# KiCad board Keyboard.kicad_pcb (continued)
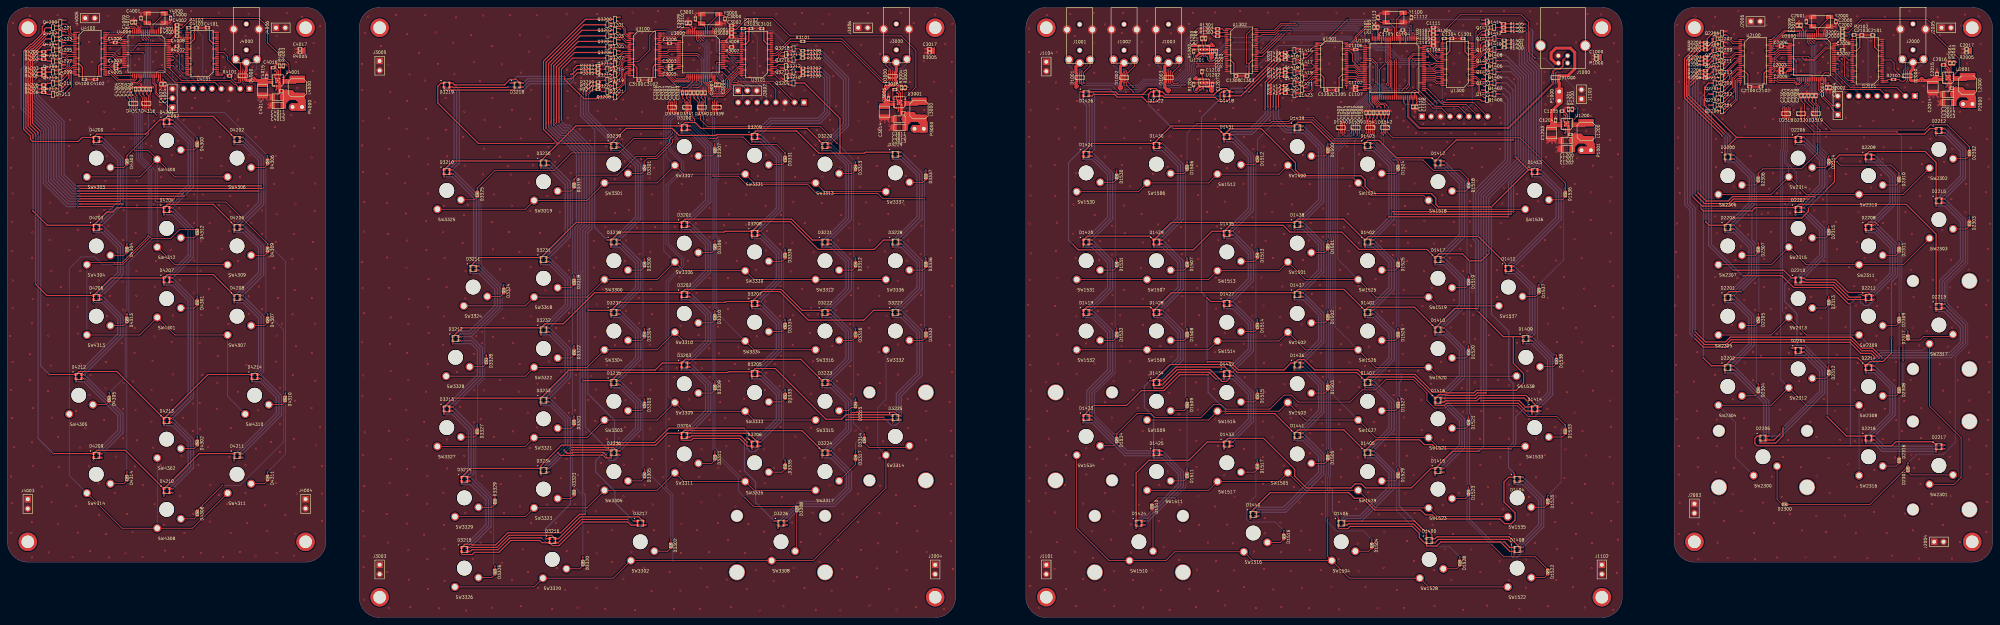
[diagram p0: board, top side]
## Routing (per net, layer and track width the routed paths; a pad name or vN(x,y) marks a point on that pad's centre or on a via; arc(x,y) is an arc through that point) (continued)
  Bottom w0.2: v2(486.14,143.84) 484.3,142 484.3,140.75 v2(481.3,137.75) ; SW2315.1 480.3,100.83 480.3,111.25 483.1,114.05 483.1,120.35 480.3,123.15 480.3,125.75 480.57,126.03 480.57,133.28 481.45,134.15 v2(481.45,134.8)
/Keyboard-Numblock/KeyMatrix-Numblock/KR1: length 209.8
  Top w0.2: 488.29,140.59 v2(488.29,139.79) 488.29,139.11 489.25,138.15 D2319.6 D2319.5 489.25,135.1 492.5,131.85 517.8,131.85 519.2,133.25 523.8,133.25 v2(529.75,127.3) D2302.1 ; U2000.8 487.44,156.39 v2(487.94,155.89) ; D2300.1 502.92,30.62 D2301.1 513.12,41.78 v2(513.15,41.8) ; v2(529.75,108.3) D2303.1
  Bottom w0.2: v2(487.94,155.89) 488.29,155.54 v2(488.29,139.79) ; v2(529.75,127.3) v2(529.75,108.3) 529.3,107.85 529.3,95.85 523.7,90.25 523.7,85.05 529.3,79.45 529.3,73.85 525.9,70.45 525.9,47.35 522.7,44.15 515.5,44.15 v2(513.15,41.8)
/Keyboard-Numblock/KeyMatrix-Numblock/KR2: length 114.1
  Top w0.2: 487.29,140.59 v2(487.29,139.79) 487.29,139.51 488.8,138 488.8,137.5 488.75,137.45 D2319.7 D2319.4 488.75,135.07 488.83,135 488.83,134.43 v2(488.75,134.35) ; U2000.9 486.94,156.09 v2(487.74,155.29) ; D2306.1 v2(472.75,120.15) 473.95,121.35 484.4,121.35 488.75,125.7 v2(488.75,127.8) ; v2(472.75,82.15) D2305.1 ; D2304.1 v2(472.75,63.15) ; v2(472.75,101.3) D2307.1
  Bottom w0.2: v2(487.29,139.79) 487.89,140.39 487.89,155.14 v2(487.74,155.29) ; v2(472.75,63.15) 472.2,63.7 472.2,81.6 v2(472.75,82.15) 472.9,82.3 472.9,101.15 v2(472.75,101.3) 472.3,101.75 472.3,119.7 v2(472.75,120.15) ; v2(488.75,127.8) v2(488.75,134.35)
/Keyboard-Numblock/KeyMatrix-Numblock/KR3: length 119.8
  Top w0.2: U2000.10 486.44,155.84 v2(487.09,155.19) ; 486.29,140.59 v2(486.29,139.79) 487.7,138.38 487.7,137.5 487.75,137.45 D2319.9 D2319.2 487.75,135.12 487.62,135 487.62,134.47 v2(487.75,134.35) ; D2308.1 v2(510.75,72.85) ; D2310.1 v2(510.75,120.15) 508.55,122.35 494.9,122.35 v2(494,123.25) ; D2309.1 v2(510.75,82.15) ; v2(510.75,101.4) D2311.1
  Bottom w0.2: v2(486.29,139.79) 487.49,140.99 487.49,154.79 v2(487.09,155.19) ; v2(510.75,120.15) 510.3,119.7 510.3,101.85 v2(510.75,101.4) 511,101.15 511,92.25 510.75,92 v2(510.75,82.15) v2(510.75,72.85) ; v2(487.75,134.35) 487.75,128 492.5,123.25 v2(494,123.25)
/Keyboard-Numblock/KeyMatrix-Numblock/KR4: length 98.8
  Top w0.2: 485.29,140.59 v2(485.29,139.79) 487.25,137.83 D2319.10 D2319.1 487.25,135.2 487.1,135.05 487.1,134.15 v2(489.4,131.85) ; U2000.11 485.94,155.59 v2(486.34,155.19) ; v2(491.75,105.9) D2315.1 ; D2312.1 v2(491.75,68.1) ; v2(491.75,86.9) D2313.1 ; v2(491.75,124.9) D2314.1 492.7,123 492.7,122.1 v2(491.75,121.15)
  Bottom w0.2: v2(485.29,139.79) 487.09,141.59 487.09,154.44 v2(486.34,155.19) ; v2(491.75,121.15) 491.3,120.7 491.3,106.35 v2(491.75,105.9) 491.3,105.45 491.3,87.35 v2(491.75,86.9) v2(491.75,68.1) ; v2(489.4,131.85) 489.4,127.25 v2(491.75,124.9)
/Keyboard-Numblock/KeyMatrix-Numblock/KR5: length 142.3
  Top w0.2: 484.29,140.59 v2(484.29,139.79) 485.25,138.83 D2320.6 D2320.5 485.25,133.93 487.83,131.35 v2(510.2,131.35) ; U2000.24 486.24,151.79 v2(486.59,151.44) ; D2316.1 v2(510.75,46.95) ; v2(511.8,69.55) 511.8,75.12 D2317.1 513.12,77.38 v2(513.1,77.4)
  Bottom w0.2: v2(484.29,139.79) 486.69,142.19 486.69,151.34 v2(486.59,151.44) ; v2(511.8,69.55) 511.8,60.35 510.75,59.3 v2(510.75,46.95) ; v2(513.1,77.4) 511.3,79.2 511.3,91.85 511.5,92.05 511.5,101.55 510.8,102.25 510.8,119.25 511.4,119.85 511.4,130.15 v2(510.2,131.35)
/Keyboard-Numblock/LedMatrix-Numblock/LC1: length 8.9
  Top w0.2: U2100.16 467.09,148.79 465,146.7 465,145.7 464.1,144.8 463.1,144.8 462.34,144.04 Q2200.1
/Keyboard-Numblock/LedMatrix-Numblock/LC1_X2: length 82.3
  Top w0.3: 466.85,129.85 458.2,138.5 458.2,143.4 459.34,144.54 Q2200.3 ; 466.85,129.85 468.5,129.85 ; 466.85,129.85 466.9,129.85 ; 468.5,129.85 D2206.1 483.65,130.75 517.6,130.75 519.08,132.22 D2212.1 ; 468.5,129.85 466.9,129.85 ; 466.9,129.85 463.75,126.7 D2200.1
/Keyboard-Numblock/LedMatrix-Numblock/LC2: length 7.9
  Top w0.2: U2100.17 467.19,148.29 465.4,146.5 465.4,144.35 Q2201.1
/Keyboard-Numblock/LedMatrix-Numblock/LC2_X2: length 151.8
  Top w0.3: v1(457.2,110.65) 457.9,109.95 v1(471,109.95) 471.9,110.85 D2207.1 483.65,111.75 512.7,111.75 520.75,103.7 D2213.1 ; D2201.1 464.8,88.15 v1(468.1,88.15) ; v1(461.45,143.05) 461.46,143.04 Q2201.3
  Bottom w0.3: v1(471,109.95) 471,102.15 472.3,100.85 472.3,92.35 v1(468.1,88.15) ; v1(461.45,143.05) 459.7,143.05 457.2,140.55 v1(457.2,110.65)
/Keyboard-Numblock/LedMatrix-Numblock/LC3: length 10.4
  Top w0.2: Q2202.1 462.74,141.04 463.4,141.7 464.1,141.7 465.8,143.4 465.8,145.9 467.19,147.29 U2100.19
/Keyboard-Numblock/LedMatrix-Numblock/LC3_X2: length 169.3
  Top w0.3: v1(508.7,75.55) 508.7,71.55 506.4,69.25 502.9,69.25 D2214.1 499.6,70.25 465.9,70.25 D2202.1 460.05,68.1 v1(457.9,70.25) ; D2208.1 502.6,106.95 504.3,106.95 v1(505.1,106.15) ; Q2202.3 459.36,141.54 v1(459.35,141.55)
  Bottom w0.3: v1(505.1,106.15) 510.4,100.85 510.4,92.45 508.7,90.75 v1(508.7,75.55) ; v1(459.35,141.55) 457.9,140.1 v1(457.9,70.25)
/Keyboard-Numblock/LedMatrix-Numblock/LC4: length 9.4
  Top w0.2: Q2203.1 466.2,142.15 466.2,145.7 467.29,146.79 U2100.20
/Keyboard-Numblock/LedMatrix-Numblock/LC4_X2: length 122.1
  Top w0.3: D2215.1 520.75,123.1 517.8,126.05 502.7,126.05 D2209.1 494.65,125.1 493.3,123.75 493.3,117.85 v1(490.6,115.15) ; v1(461.45,140.05) 461.46,140.04 Q2203.3 ; v1(486.3,110.85) 486.3,109.85 484.5,108.05 465.7,108.05 D2203.1 459.45,106.1 458.6,106.95 v1(458.6,107.05)
  Bottom w0.3: v1(458.6,107.05) 458.6,138.95 459.7,140.05 v1(461.45,140.05) ; v1(486.3,110.85) v1(490.6,115.15)
/Keyboard-Numblock/LedMatrix-Numblock/LC5: length 12.4
  Top w0.2: Q2204.1 462.64,138.04 463.3,138.7 465.1,138.7 466.6,140.2 466.6,145.2 467.19,145.79 U2100.22
/Keyboard-Numblock/LedMatrix-Numblock/LC5_X2: length 125.6
  Top w0.3: Q2204.3 459.36,138.54 v1(459.35,138.55) ; v1(491.4,54.25) 496.55,49.1 D2216.1 ; v1(481.7,72.85) D2204.1 ; D2210.1 v1(481.7,91.85) 479.6,93.95 v1(466,93.95)
  Bottom w0.3: v1(481.7,72.85) 482.4,73.55 483.2,73.55 ; v1(491.4,54.25) 491.4,67.55 485.4,73.55 483.2,73.55 ; v1(459.35,138.55) 459.35,100.6 v1(466,93.95) ; 483.2,73.55 483.2,82.15 479.9,85.45 479.9,90.05 v1(481.7,91.85)
/Keyboard-Numblock/LedMatrix-Numblock/LC6: length 10.9
  Top w0.2: Q2205.1 467,139.95 467,145 467.29,145.29 U2100.23
/Keyboard-Numblock/LedMatrix-Numblock/LC6_X2: length 178.8
  Top w0.3: v1(461.45,137.05) 461.46,137.04 Q2205.3 ; v1(497.6,84.9) 497.05,84.9 492.7,89.25 482.3,89.25 479.1,92.45 v1(468.5,92.45) ; D2211.1 501.05,87.1 v1(500.8,87.35) ; 520.75,46.72 519.92,47.55 509.9,47.55 508.8,46.45 v1(497.6,46.45) 472.4,46.45 471.8,47.05 471.8,48.45 472.45,49.1 D2205.1
  Bottom w0.3: v1(500.8,87.35) 500.05,87.35 v1(497.6,84.9) v1(497.6,46.45) ; v1(461.45,137.05) 461.05,137.05 460.1,136.1 460.1,100.85 v1(468.5,92.45)
/Keyboard-Numblock/LedMatrix-Numblock/LR1: length 5
  Top w0.2: U2100.2 466.01,155.79 464.26,157.54 Q2206.1
/Keyboard-Numblock/LedMatrix-Numblock/LR1_X2: length 183.4
  Top w0.3: v1(463.75,66.2) D2202.4 ; R2200.1 457.14,155.54 452.8,151.2 452.8,140.5 463,130.3 v1(463,130.25) ; v1(479.4,51.35) 479.4,49.15 477.45,47.2 v1(473.27,47.2) 473.27,48 ; v1(463.75,123.2) D2200.4 ; v1(482.75,70.95) D2204.4 ; v1(463.75,85.2) D2201.4 ; v1(463.75,104.2) D2203.4
  Bottom w0.3: v1(482.75,70.95) 485,70.95 489.3,66.65 489.3,61.25 v1(479.4,51.35) ; v1(463,130.25) 463.05,130.25 463.75,129.55 v1(463.75,123.2) 466.05,123.2 470.3,118.95 470.3,112.25 463.75,105.7 v1(463.75,104.2) 466.05,104.2 470.2,100.05 470.2,93.15 463.75,86.7 v1(463.75,85.2) 466.05,85.2 470.2,81.05 470.2,74.15 463.75,67.7 v1(463.75,66.2) 466.05,66.2 474.2,58.05 474.2,48.12 v1(473.27,47.2)
/Keyboard-Numblock/LedMatrix-Numblock/LR2: length 6.9
  Top w0.2: U2100.3 465.81,155.29 464.7,156.4 462.9,156.4 462.54,156.04 Q2207.1
/Keyboard-Numblock/LedMatrix-Numblock/LR2_X2: length 169.9
  Top w0.3: D2203.3 v1(466.1,105) ; D2204.3 v1(485.1,71.75) ; R2201.1 457.14,154.54 453.4,150.8 453.4,140.9 463.4,130.9 v1(463.4,130.85) ; D2200.3 v1(466.1,124) ; D2201.3 v1(466.1,86) ; 474.77,48 v1(475.62,48) 476.95,48 v1(478.7,49.75) ; D2202.3 v1(466.1,67)
  Bottom w0.3: v1(475.62,48) 474.9,48.72 474.9,58.35 466.25,67 v1(466.1,67) 465.4,67.7 465.4,68.35 470.9,73.85 470.9,81.35 466.25,86 v1(466.1,86) 465.4,86.7 465.4,87.35 470.9,92.85 470.9,100.35 466.25,105 v1(466.1,105) 465.4,105.7 465.4,106.35 471,111.95 471,119.25 466.25,124 v1(466.1,124) 464.4,125.7 464.4,129.85 v1(463.4,130.85) ; v1(478.7,49.75) 490,61.05 490,66.95 485.2,71.75 v1(485.1,71.75)
/Keyboard-Numblock/LedMatrix-Numblock/LR3: length 4.4
  Top w0.2: Q2208.1 463.84,154.29 U2100.5
/Keyboard-Numblock/LedMatrix-Numblock/LR3_X2: length 168.6
  Top w0.3: v1(466.1,87.1) D2201.2 ; R2202.1 457.24,153.54 454,150.3 454,141.25 v1(463.9,131.35) ; v1(485.1,72.85) D2204.2 ; v1(466.1,106.1) D2203.2 ; v1(466.1,68.1) D2202.2 ; v1(475.62,49.1) 474.77,49.1 ; v1(466.1,125.1) D2200.2
  Bottom w0.3: v1(485.1,72.85) 490.7,67.25 490.7,60.75 479.05,49.1 v1(475.62,49.1) 475.62,58.57 v1(466.1,68.1) 471.6,73.6 471.6,81.6 v1(466.1,87.1) 471.6,92.6 471.6,100.6 v1(466.1,106.1) 471.68,111.67 471.68,119.53 v1(466.1,125.1) 465.1,126.1 465.1,130.1 463.9,131.3 v1(463.9,131.35)
/Keyboard-Numblock/LedMatrix-Numblock/LR4: length 6.6
  Top w0.2: Q2209.1 462.94,153.04 463.69,153.79 U2100.6
/Keyboard-Numblock/LedMatrix-Numblock/LR4_X2: length 199.7
  Top w0.3: D2210.4 v1(482.75,89.95) 493,89.95 496.95,86 D2211.4 v1(501.75,85.2) ; v1(501.75,104.2) D2208.4 ; v1(501.75,123.2) D2209.4 ; v1(455.2,113.65) 457.6,111.25 465.1,111.25 466.4,112.55 v1(484.8,112.55) ; v1(456.45,151.55) 457.93,151.55 R2203.1 ; v1(482.75,127.95) D2206.4 ; v1(482.75,108.95) D2207.4
  Bottom w0.3: v1(482.75,127.95) 485,127.95 489.3,123.65 489.3,117.05 v1(484.8,112.55) 482.75,110.5 v1(482.75,108.95) 485,108.95 489.3,104.65 489.3,98.05 482.75,91.5 v1(482.75,89.95) ; v1(456.45,151.55) 455.2,150.3 455.2,143.6 455,143.4 455,113.85 v1(455.2,113.65) ; v1(501.75,85.2) 501.75,86.6 508.3,93.15 508.3,99.95 504.05,104.2 v1(501.75,104.2) 501.75,105.7 508.3,112.25 508.3,118.95 504.05,123.2 v1(501.75,123.2)
/Keyboard-Numblock/LedMatrix-Numblock/LR5: length 4.8
  Top w0.2: Q2210.1 465.24,151.54 466.49,152.79 U2100.8
/Keyboard-Numblock/LedMatrix-Numblock/LR5_X2: length 193.1
  Top w0.3: v1(456.45,150.55) 457.93,150.55 R2204.1 ; D2207.3 v1(485.1,109.75) ; v1(500.3,86.65) 497.3,86.65 493.3,90.65 485.2,90.65 v1(485.1,90.75) D2210.3 ; D2206.3 v1(485.1,128.75) ; v1(486.45,113.2) 466.05,113.2 464.8,111.95 458.2,111.95 v1(455.8,114.35) ; D2211.3 v1(504.1,86) ; D2208.3 v1(504.1,105) ; D2209.3 v1(504.1,124)
  Bottom w0.3: v1(485.1,90.75) 484.4,91.45 484.4,92.15 490,97.75 490,104.95 485.2,109.75 v1(485.1,109.75) 484.4,110.45 484.4,111.15 v1(486.45,113.2) 490,116.75 490,123.95 485.2,128.75 v1(485.1,128.75) ; v1(456.45,150.55) 455.8,149.9 455.8,143.35 455.7,143.25 455.7,114.45 v1(455.8,114.35) ; v1(500.3,86.65) 500.3,85.45 501.3,84.45 502.55,84.45 v1(504.1,86) 503.4,86.7 503.4,87.35 509,92.95 509,100.25 504.25,105 v1(504.1,105) 503.4,105.7 503.4,106.35 509,111.95 509,119.25 504.25,124 v1(504.1,124)
/Keyboard-Numblock/LedMatrix-Numblock/LR6: length 7.2
  Top w0.2: U2100.9 466.59,152.29 465.1,150.8 463.2,150.8 462.44,150.04 Q2211.1
/Keyboard-Numblock/LedMatrix-Numblock/LR6_X2: length 189
  Top w0.3: v1(488.1,113.85) 465.8,113.85 464.6,112.65 458.7,112.65 456.45,114.9 v1(456.45,114.95) ; D2210.2 v1(485.1,91.85) 485.6,91.35 493.6,91.35 497,87.95 502.4,87.95 D2211.2 v1(504.1,87.1) ; v1(485.1,129.85) D2206.2 ; v1(504.1,125.1) D2209.2 ; R2205.1 457.93,149.55 v1(456.45,149.55) ; v1(485.1,110.85) D2207.2 ; v1(504.1,106.1) D2208.2
  Bottom w0.3: v1(456.45,114.95) v1(456.45,149.55) ; v1(504.1,87.1) 509.7,92.7 509.7,100.5 v1(504.1,106.1) 509.7,111.7 509.7,119.5 v1(504.1,125.1) ; v1(485.1,129.85) 490.7,124.25 490.7,116.45 v1(488.1,113.85) v1(485.1,110.85) 490.7,105.25 490.7,97.45 v1(485.1,91.85)
/Keyboard-Numblock/LedMatrix-Numblock/LR7: length 5.4
  Top w0.2: U2100.11 466.34,151.29 Q2212.1
/Keyboard-Numblock/LedMatrix-Numblock/LR7_X2: length 282
  Top w0.3: v1(501.75,66.2) D2214.4 ; v1(504.4,70.25) 503.2,71.45 500.4,71.45 497.4,74.45 465.7,74.45 464.4,73.15 457.9,73.15 v1(455.7,75.35) ; v1(520.75,82.83) D2213.4 ; R2206.1 456.74,147.94 v1(454.6,145.8) ; v1(501.75,47.2) D2216.4 ; v1(520.75,130.32) D2212.4 ; v1(520.75,44.82) D2217.4 ; v1(520.75,111.33) D2215.4
  Bottom w0.3: v1(520.75,44.82) 520.62,44.95 506.1,44.95 503.85,47.2 v1(501.75,47.2) 501.75,48.7 508.3,55.25 508.3,61.95 504.05,66.2 v1(501.75,66.2) 501.75,67.6 v1(504.4,70.25) 505.8,71.65 524.4,71.65 527.3,74.55 527.3,78.35 522.83,82.83 v1(520.75,82.83) 521.7,83.78 521.7,91.15 527.3,96.75 527.3,107.05 523.02,111.33 v1(520.75,111.33) 520.75,112.9 527.3,119.45 527.3,126.05 523.02,130.32 v1(520.75,130.32) ; v1(455.7,75.35) 454.3,76.75 454.3,110.15 452.9,111.55 452.9,144.1 v1(454.6,145.8)
/Keyboard-Numblock/LedMatrix-Numblock/LR8: length 7.9
  Top w0.2: U2100.12 467.09,150.79 464.2,147.9 463.2,147.9 462.34,147.04 Q2213.1
/Keyboard-Numblock/LedMatrix-Numblock/LR8_X2: length 273
  Top w0.3: D2214.3 v1(504.1,67) ; v1(454.6,144.9) 456.64,146.94 R2207.1 ; D2212.3 v1(523.1,131.12) ; v1(455.7,76.35) 458.2,73.85 464.1,73.85 465.4,75.15 497.7,75.15 500.7,72.15 503.4,72.15 v1(505.3,70.25) ; D2215.3 v1(523.1,112.12) ; D2216.3 v1(504.1,48) ; D2217.3 v1(523.1,45.62) ; D2213.3 v1(523.1,83.62)
  Bottom w0.3: v1(523.1,45.62) 506.48,45.62 v1(504.1,48) 503.4,48.7 503.4,49.35 509,54.95 509,62.25 504.25,67 v1(504.1,67) 503.4,67.7 503.4,68.35 v1(505.3,70.25) 506,70.95 524.6,70.95 528,74.35 528,78.72 v1(523.1,83.62) 522.4,84.33 522.4,90.85 528,96.45 528,107.35 523.23,112.12 v1(523.1,112.12) 522.4,112.83 522.4,113.55 528,119.15 528,126.35 523.23,131.12 v1(523.1,131.12) ; v1(455.7,76.35) 455,77.05 455,110.45 453.6,111.85 453.6,143.9 v1(454.6,144.9)
/Keyboard-Numblock/LedMatrix-Numblock/LR9: length 6.9
  Top w0.2: Q2214.1 464.6,146.55 464.6,147.7 467.19,150.29 U2100.13
/Keyboard-Numblock/LedMatrix-Numblock/LR9_X2: length 271.9
  Top w0.3: v1(523.1,132.22) D2212.2 ; v1(506.25,70.25) 503.65,72.85 500.9,72.85 497.9,75.85 465.2,75.85 463.9,74.55 458.5,74.55 v1(455.7,77.35) ; v1(454.6,144) 456.54,145.94 R2208.1 ; v1(523.1,84.72) D2213.2 ; v1(523.1,46.72) 522.25,46.72 ; v1(504.1,49.1) D2216.2 ; v1(523.1,113.22) D2215.2 ; v1(504.1,68.1) D2214.2
  Bottom w0.3: v1(454.6,144) 454.3,143.7 454.3,112.15 455.7,110.75 v1(455.7,77.35) ; v1(523.1,132.22) 528.7,126.62 528.7,118.83 v1(523.1,113.22) 528.7,107.62 528.7,96.15 523.1,90.55 v1(523.1,84.72) 528.7,79.12 528.7,74.15 524.8,70.25 v1(506.25,70.25) v1(504.1,68.1) 509.7,62.5 509.7,54.7 v1(504.1,49.1) 506.85,46.35 522.73,46.35 v1(523.1,46.72)
/Keyboard-Numblock/SHIELD_2: length 445.1
  Top w0.2: 529.48,152.77 R2005.1 ; 530.23,153.23 v2(530.25,153.25)
  Top w0.4: 530,153 529.75,152.75 R2005.1 530,152.75 v2(530.25,152.5) v2(530.25,154) 530,153.75 529.48,153.75 ; 530,153 529.48,153.52 529.48,153.75 ; 530,153 v2(530.25,153.25) 529.75,153.75 529.48,153.75 ; 529.48,153.75 529.48,152.77
  In2.Cu w0.3: X2000.1 459.25,163.25 526.75,163.25 X2001.1 530.5,154.25 v2(530.25,154) v2(530.25,152.5) 533,149.75 533,23 X2002.1 527.75,17.75 458.25,17.75 X2003.1 452.75,23.25 452.75,156.75 X2000.1
/Keyboard-Right/CPU-Right/JTAG_RST: length 26.5
  Top w0.2: U1100.90 383.5,149.6 v2(384,149.1) ; J1100.8 395.91,139.25 387.95,139.25 v2(387.4,139.8)
  Bottom w0.2: v2(387.4,139.8) 387.4,145.7 v2(384,149.1)
/Keyboard-Right/CPU-Right/JTAG_TCK: length 9.2
  Top w0.2: U1100.76 382.55,142.6 v2(385.95,139.2)
  Bottom w0.2: J1100.2 385.95,137.03 v2(385.95,139.2)
/Keyboard-Right/CPU-Right/JTAG_TDI: length 17.8
  Top w0.2: U1100.77 383.3,143.1 387.65,138.75 393.87,138.75 J1100.7
/Keyboard-Right/CPU-Right/JTAG_TDO: length 24.6
  Top w0.2: J1100.6 391.83,138.25 385.45,138.25 380.6,143.1 380.6,148.4 381.3,149.1 U1100.89
/Keyboard-Right/CPU-Right/JTAG_TMS: length 14.9
  Top w0.2: J1100.4 387.25,137.75 384.95,137.75 380.2,142.5 379.6,142.5 379,141.9 U1100.72
/Keyboard-Right/CPU-Right/LC1: length 5.3
  Top w0.2: U1100.81 385.1,145.1 385.85,144.35 U1300.47
/Keyboard-Right/CPU-Right/LC2: length 5.3
  Top w0.2: U1300.46 386.05,144.85 385.3,145.6 U1100.82
/Keyboard-Right/CPU-Right/LC3: length 5.1
  Top w0.2: U1300.44 385.65,145.85 385.4,146.1 U1100.83
/Keyboard-Right/CPU-Right/LC4: length 5.1
  Top w0.2: U1100.84 385.5,146.6 385.75,146.35 U1300.43
/Keyboard-Right/CPU-Right/LC5: length 5.1
  Top w0.2: U1100.85 385.5,147.1 385.75,147.35 U1300.41
/Keyboard-Right/CPU-Right/LC6: length 5.1
  Top w0.2: U1300.40 385.55,147.85 385.3,147.6 U1100.86
/Keyboard-Right/CPU-Right/LC7: length 5.3
  Top w0.2: U1300.38 385.85,148.85 385.1,148.1 U1100.87
/Keyboard-Right/CPU-Right/LC8: length 5.3
  Top w0.2: U1300.37 385.65,149.35 384.9,148.6 U1100.88
/Keyboard-Right/CPU-Right/LC9: length 25.2
  Top w0.2: v2(384.4,149.6) 384.8,149.6 385.05,149.85 U1300.36 ; v2(371.85,149.6) 370.5,148.25 U1100.55
  Bottom w0.2: v2(384.4,149.6) v2(371.85,149.6)
/Keyboard-Right/CPU-Right/LR1: length 6.1
  Top w0.2: U1100.97 383.3,153.1 386.05,150.35 U1300.35
/Keyboard-Right/CPU-Right/LR2: length 5.9
  Top w0.2: U1100.98 383.4,153.6 385.65,151.35 U1300.33
/Keyboard-Right/CPU-Right/LR3: length 9.7
  Top w0.2: U1100.1 v2(381.15,156.55) ; U1300.32 385.95,151.85 v2(385.7,152.1)
  Bottom w0.2: v2(385.7,152.1) 385.1,152.7 385.1,154.15 382.7,156.55 v2(381.15,156.55)
/Keyboard-Right/CPU-Right/LR4: length 11.4
  Top w0.2: U1100.2 v2(380,157.75) ; v2(385.7,152.85) U1300.30
  Bottom w0.2: v2(385.7,152.85) 385.5,153.05 385.5,154.35 382.1,157.75 v2(380,157.75)
/Keyboard-Right/CPU-Right/LR5: length 12.2
  Top w0.2: v2(386.2,153.35) U1300.29 ; U1100.3 v2(379.5,158.1)
  Bottom w0.2: v2(379.5,158.1) 379.7,158.3 382.15,158.3 385.9,154.55 385.9,153.65 v2(386.2,153.35)
/Keyboard-Right/CPU-Right/LR6: length 24.8
  Top w0.2: 363.9,156.9 363.9,157.07 ; 363.9,156.9 363.9,157.1 367.4,160.6 v2(367.4,161) ; 363.9,156.9 363.9,156.5 362.25,154.85 U1301.47 ; U1100.4 v2(379,160.1)
  Bottom w0.2: v2(367.4,161) 368.2,161 369.3,159.9 378.2,159.9 378.4,160.1 v2(379,160.1)
/Keyboard-Right/CPU-Right/LR7: length 23.4
  Top w0.2: U1301.46 362.35,154.35 364.3,156.3 364.3,156.6 ; v2(378.5,159.5) U1100.5 ; 364.3,156.6 364.3,156.9 v2(367.9,160.5) ; 364.3,156.6 364.3,156.4
  Bottom w0.2: v2(378.5,159.5) 368.9,159.5 v2(367.9,160.5)
/Keyboard-Right/CPU-Right/LR8: length 8.1
  Top w0.2: U1301.44 362.25,153.35 363.2,152.4 363.2,150.5 365.1,148.6 U1100.38
/Keyboard-Right/CPU-Right/LR9: length 5.5
  Top w0.2: U1301.36 363.75,149.35 365,148.1 U1100.39
/Keyboard-Right/CPU-Right/LR10: length 5.5
  Top w0.2: U1100.40 364.9,147.6 363.65,148.85 U1301.35
/Keyboard-Right/CPU-Right/LR11: length 5.3
  Top w0.2: U1301.33 364.05,147.85 364.8,147.1 U1100.41
/Keyboard-Right/CPU-Right/LR12: length 5.3
  Top w0.2: U1100.42 364.7,146.6 363.95,147.35 U1301.32
/Keyboard-Right/CPU-Right/LR13: length 5.1
  Top w0.2: U1100.43 364.5,146.1 364.25,146.35 U1301.30
/Keyboard-Right/CPU-Right/LR14: length 5.1
  Top w0.2: U1301.29 364.05,145.85 364.3,145.6 U1100.44
/Keyboard-Right/CPU-Right/LR15: length 5.1
  Top w0.2: U1100.45 364.3,145.1 364.05,144.85 U1301.27
/Keyboard-Right/CPU-Right/LV_EN: length 101.8
  Top w0.2: U1302.48 336.1,159.2 334.6,157.7 v2(334.6,149.9) ; v2(336.1,147.7) U1302.25 ; U1301.48 v2(360.45,155.35) ; v2(388.55,155.35) U1300.25 387.45,156.57 R1304.2 ; U1100.91 v2(384,150.1) ; U1301.25 v2(361.55,143.1) ; U1300.48 v2(388.55,143.85)
  Bottom w0.2: 365.82,147.38 368.55,150.1 v2(384,150.1) 385.45,150.1 ; 365.82,147.38 363.6,149.6 363.6,154.4 362.65,155.35 v2(360.45,155.35) 355.65,155.35 355,154.7 343.1,154.7 v2(336.1,147.7) 334.6,149.2 v2(334.6,149.9) ; 365.82,147.38 v2(361.55,143.1) ; 385.45,150.1 387.8,147.75 387.8,144.6 v2(388.55,143.85) ; 385.45,150.1 387.1,151.75 387.1,153.4 388.55,154.85 v2(388.55,155.35)
/Keyboard-Right/CPU-Right/nRST: length 49.5
  Top w0.2: v2(383.9,158.6) 384.55,158.6 ; 384.55,158.6 384.55,159.5 384.45,159.6 ; 384.55,158.6 384.55,157.6 ; U1100.14 v2(374,157.75)
  Bottom w0.2: J1100.5 395.5,138.96 395.5,157 393.9,158.6 v2(383.9,158.6) 383.7,158.8 375.05,158.8 v2(374,157.75)
/Keyboard-Right/CPU-Right/PG: length 62.3
  Top w0.2: v2(424,137.75) 424,135.75 U1200.4 ; v2(412.5,151.25) 410.75,153 410.75,161 408.75,163 392.3,163 387.9,158.6 385.45,158.6
  Bottom w0.2: v2(412.5,151.25) 415,151.25 423,143.25 423,138.75 v2(424,137.75)
/Keyboard-Right/CPU-Right/PWR_M1_EN: length 57
  Top w0.2: U1100.35 v2(365.4,150.1) ; U1201.3 322.6,152 322.3,151.7 v2(322,151.7) 321.35,151.05 320.7,151.05 320.3,151.45 R1202.1
  Bottom w0.2: v2(365.4,150.1) 364.8,150.7 364.8,155 362.6,157.2 337.4,157.2 337.1,156.9 330.1,156.9 329.6,156.4 329.6,156.2 326.2,152.8 323.1,152.8 v2(322,151.7)
/Keyboard-Right/CPU-Right/PWR_M2_EN: length 58.3
  Top w0.2: U1201.5 323.4,152 323.7,151.7 v2(324,151.7) 324,150.95 324.5,150.45 325.4,150.45 326.4,151.45 R1203.1 ; U1100.36 v2(365,149.6)
  Bottom w0.2: v2(324,151.7) 324,151.3 324.7,150.6 325.7,150.6 326.5,151.4 326.5,152.5 329.6,155.6 336.5,155.6 337.6,156.7 362.5,156.7 364.4,154.8 364.4,150.2 v2(365,149.6)
/Keyboard-Right/CPU-Right/PWR_M3_EN: length 63.9
  Top w0.2: U1202.3 322.6,143 322.3,142.7 v2(322,142.7) 321.35,142.05 320.7,142.05 320.3,142.45 R1204.1 ; U1100.37 v2(365.4,149.1)
  Bottom w0.2: v2(322,142.7) 323.1,143.8 324.2,143.8 326.9,146.5 326.9,152.3 328.3,153.7 336,153.7 338.5,156.2 362.4,156.2 364,154.6 364,149.8 364.7,149.1 v2(365.4,149.1)
/Keyboard-Right/CPU-Right/USART1_RX: length 54.5
  Top w0.2: v2(343.2,157.8) 338.6,153.2 U1302.36 ; U1100.93 v2(379.5,151.1)
  Bottom w0.2: v2(379.5,151.1) 376.3,151.1 372.9,154.5 370.07,154.5 369.4,155.17 369.4,158.2 366.4,161.2 346.6,161.2 v2(343.2,157.8)
/Keyboard-Right/CPU-Right/USART1_TX: length 52
  Top w0.2: U1302.47 341.9,158.7 343.9,160.7 v2(347.6,160.7) ; U1100.92 v2(380,150.6)
  Bottom w0.2: v2(347.6,160.7) 366.3,160.7 369,158 369,155 369.9,154.1 372.7,154.1 376.2,150.6 v2(380,150.6)
/Keyboard-Right/CPU-Right/USART2_RX: length 36.1
  Top w0.2: U1302.35 338.9,152.7 v2(344,157.8) ; U1100.26 v2(366.55,157.65)
  Bottom w0.2: v2(344,157.8) 345.9,159.7 364.5,159.7 v2(366.55,157.65)
/Keyboard-Right/CPU-Right/USART2_TX: length 34.3
  Top w0.2: v2(348.25,160.2) 344.1,160.2 342.1,158.2 U1302.46 ; U1100.25 v2(368.5,157.75)
  Bottom w0.2: v2(348.25,160.2) 366.05,160.2 v2(368.5,157.75)
/Keyboard-Right/CPU-Right/USART6_RX: length 54.6
  Top w0.2: U1302.33 338.7,151.7 v2(344.8,157.8) ; U1100.64 v2(375,151)
  Bottom w0.2: v2(344.8,157.8) 346.2,159.2 364.2,159.2 369.7,153.7 372.23,153.7 374.73,151.2 374.8,151.2 v2(375,151)
/Keyboard-Right/CPU-Right/USART6_TX: length 51.2
  Top w0.2: v2(346.6,158.7) 343.3,158.7 342.3,157.7 338.8,157.7 338.3,157.2 U1302.44 ; U1100.63 v2(374.5,150.6)
  Bottom w0.2: v2(374.5,150.6) 371.8,153.3 369.5,153.3 364.1,158.7 v2(346.6,158.7)
/Keyboard-Right/KeyMatrix-Right/KC1: length 174.4
  Top w0.2: v2(365.1,131) 365.1,131.4 365,131.5 D1539.5 D1539.6 365,133.9 v2(365.1,134) ; SW1530.1 305.33,115.17 SW1506.1 324.33,117.55 SW1512.1 343.33,119.92 SW1500.1 349.13,118.88 363.38,118.88 SW1524.1 368.18,114.08 382.43,114.08 SW1518.1 386.08,110.42 SW1536.1 ; v2(373.8,143) 373.8,150.4 373.5,150.7 U1100.15
  Bottom w0.2: SW1524.1 363.68,118.58 363.68,128.88 365.1,130.3 v2(365.1,131) ; v2(365.1,134) 365.1,136.9 365.9,137.7 366.2,137.7 371.5,143 v2(373.8,143)
/Keyboard-Right/KeyMatrix-Right/KC2: length 196.3
  Top w0.2: v2(373.3,143.5) 373.4,143.6 373.4,150.2 373,150.6 U1100.16 ; SW1531.1 SW1507.1 324.33,91.42 SW1513.1 343.33,93.8 SW1501.1 350.46,91.42 SW1525.1 369.46,86.67 SW1519.1 386.08,84.3 SW1537.1 ; v2(364.5,130.5) 364.6,130.6 364.6,131.2 364.5,131.3 D1539.4 D1539.7 364.5,133.6 364.6,133.7 v2(364.6,134.5)
  Bottom w0.2: v2(364.5,130.5) 363.88,129.88 363.07,129.88 359.07,125.88 359.07,97.06 SW1525.1 ; v2(364.6,134.5) 364.6,137 365.7,138.1 366,138.1 371.3,143.4 373.2,143.4 v2(373.3,143.5)
/Keyboard-Right/KeyMatrix-Right/KC3: length 220.4
  Top w0.2: SW1532.1 SW1508.1 324.33,72.42 SW1514.1 343.33,74.8 SW1502.1 350.46,72.42 SW1526.1 369.46,67.67 SW1520.1 386.08,65.3 SW1538.1 ; v2(372.8,143.9) 373,144.1 373,150 372.5,150.5 U1100.17 ; v2(363.4,134.5) 363.4,133.7 363.5,133.6 D1539.9 D1539.2 363.5,131.4 363.4,131.3 363.4,130.6 v2(363.5,130.5)
  Bottom w0.2: v2(372.8,143.9) 372.7,143.8 371.1,143.8 365.8,138.5 365.5,138.5 363.4,136.4 v2(363.4,134.5) ; v2(363.5,130.5) 362.9,130.5 358.48,126.08 358.48,103.17 358.57,103.08 358.57,100.88 358.48,100.78 358.48,84.17 358.57,84.08 358.57,81.78 358.48,81.67 358.48,78.66 SW1526.1
/Keyboard-Right/KeyMatrix-Right/KC4: length 223
  Top w0.2: v2(362.9,134) 363,133.9 D1539.10 D1539.1 363,131.5 362.9,131.4 v2(362.9,131) ; v2(372.3,144.3) 372.6,144.6 372.6,149.8 372,150.4 U1100.18 ; SW1533.1 386.08,46.29 SW1521.1 369.46,48.67 SW1527.1 350.46,53.42 SW1503.1 343.33,55.79 SW1515.1 324.33,53.42 SW1509.1
  Bottom w0.2: SW1527.1 357.88,60.25 357.88,62.88 358.07,63.08 358.07,64.78 357.88,64.97 357.88,81.88 358.07,82.08 358.07,83.78 357.88,83.97 357.88,100.88 358.07,101.08 358.07,102.78 357.88,102.97 357.88,126.28 362.6,131 v2(362.9,131) ; v2(362.9,134) 362.9,136.5 365.3,138.9 365.6,138.9 371,144.3 v2(372.3,144.3)
